# Altium PCB HTBLEBMSALL24S100A_PCB_V0.2_260323.pcbdoc (part 1 of 7) (continued)
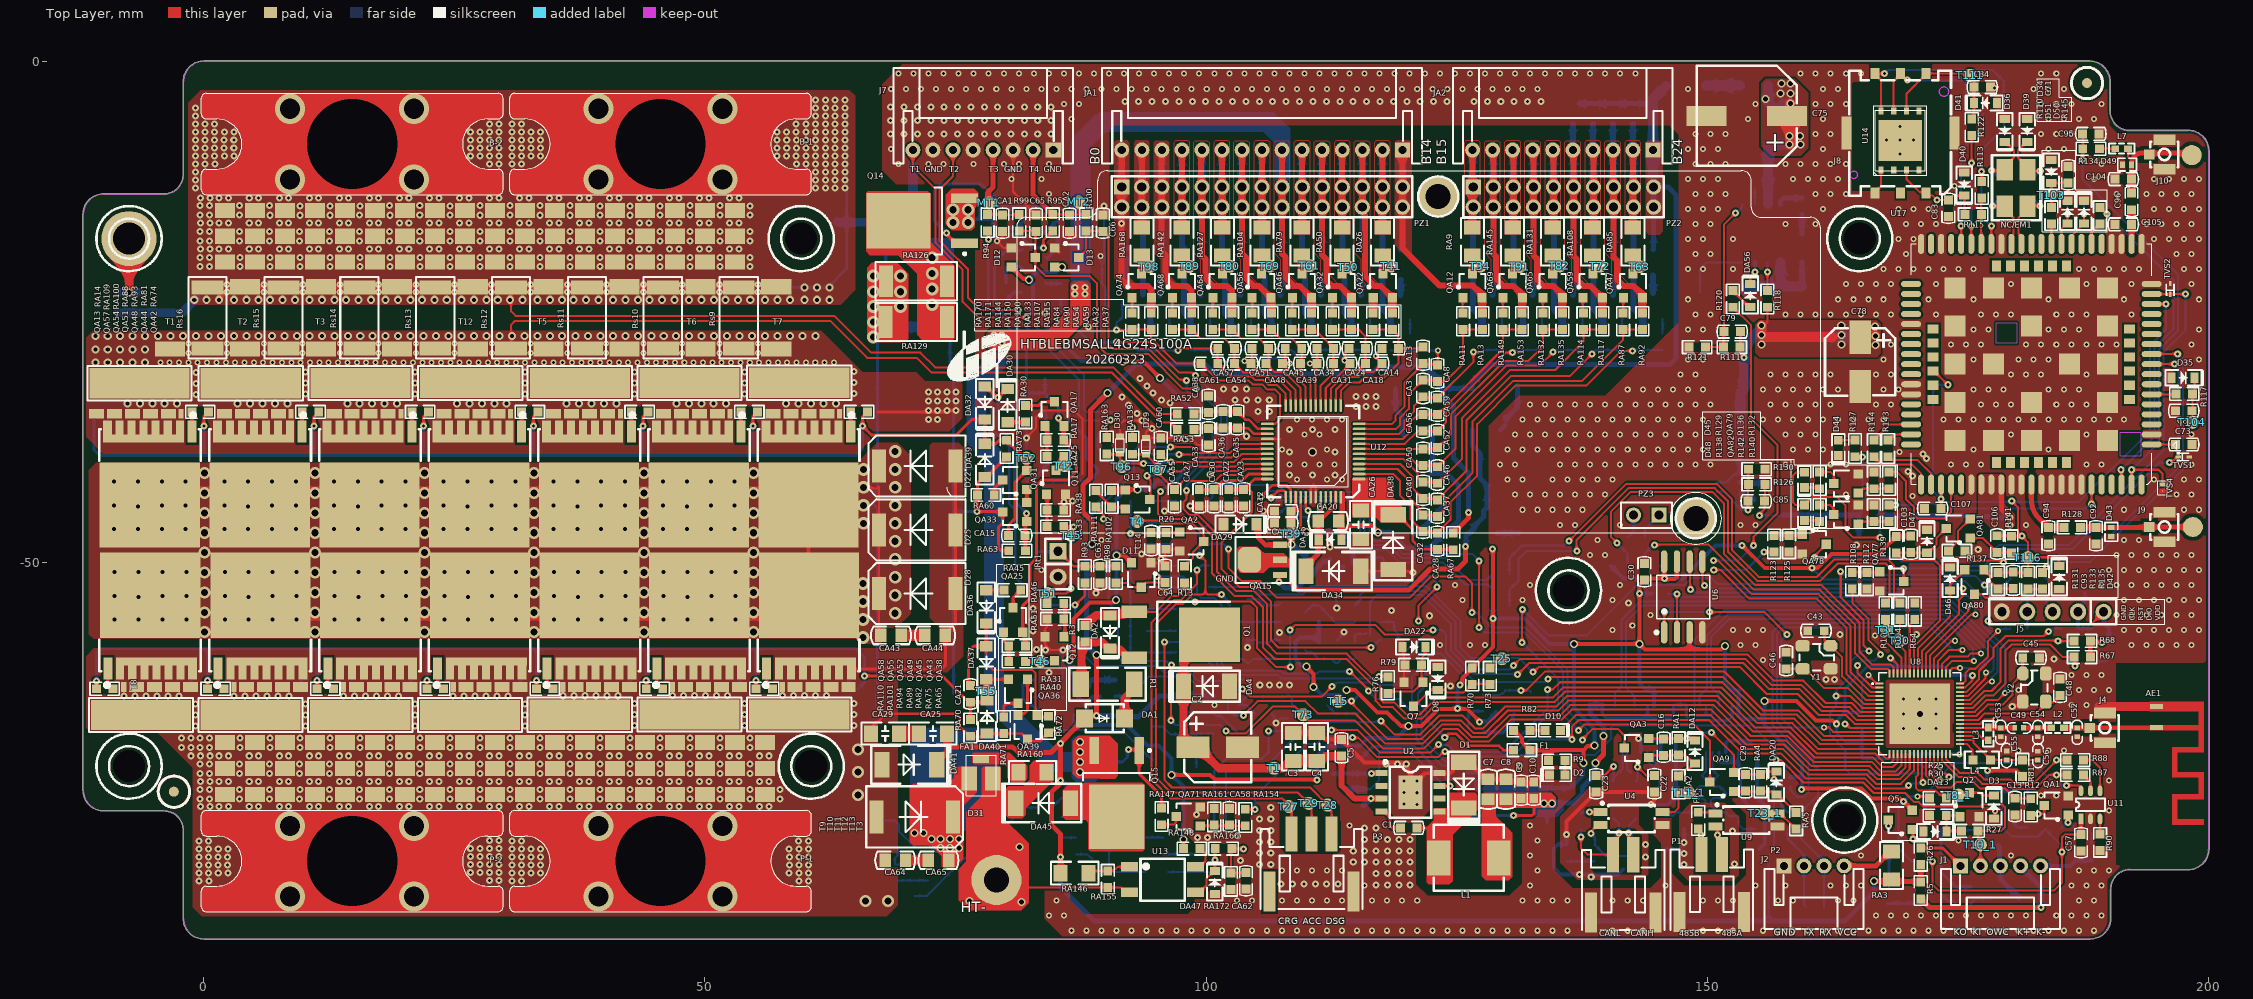
[diagram p0: Top Layer view]
## Components (designator, comment, footprint, x,y, rotation, side; value= is the part's Value field where it differs from the comment) (continued)
DA26 "SMBJ100A" SMB/DO-214AA 133.198,-41.007 r0 bottom
DA27 "BZT52C15" SOD-123 82.054,-36.602 r90 bottom
DA28 "BZT52C15" SOD-123 82.054,-38.619 r270 bottom
DA29 "SMF6.0A" SOD-123 101.716,-46.168 r0 top
DA30 "BAV21W" SOD-123 80.202,-35.983 r90 top
DA31 "SS2200" SMA/DO-214AC 123.458,-32.602 r0 bottom
DA32 "BAV21W" SOD-123 77.914,-32.427 r270 top
DA33 "SMBJ100A" SMB/DO-214AA 117.134,-41.063 r180 bottom
DA34 "SMBJ100A" SMB/DO-214AA 115.432,-50.842 r0 top
DA35 "BZT52C16S" SOD-323 113.514,-47.717 r180 top
DA36 "BAV21W" SOD-123 78.067,-52.757 r270 top
DA37 "BAV21W" SOD-123 78.067,-58.335 r270 top
DA38 "SMBJ100A" SMB/DO-214AA 118.658,-50.689 r270 top
DA39 "BZT52C15" SOD-123 77.914,-41.444 r90 top
DA40 "BZT52C15" SOD-123 78.132,-67.041 r90 top
DA41 "RS5M" SMB/DO-214AA 67.654,-70.145 r180 top
DA42 "BZT52C15" SOD-123 81.864,-15.712 r0 bottom
DA43 "BZT52C15S" SOD-323 90.715,-69.876 r180 bottom
DA44 "1N4148WS" SOD-323 90.507,-72.978 r270 bottom
DA45 "RS3M" SMB/DO-214AA 86.463,-73.981 r0 top
DA46 "BZT52C15S" SOD-323 66.951,-81.761 r0 bottom
DA47 "BZT52C3V3S" SOD-323 100.868,-83.059 r90 top
DA48 "BZT52C15S" SOD-323 66.951,-78.479 r0 bottom
DA49 "1N4148WS" SOD-323 88.68,-79.513 r90 bottom
DA50 "1N4148WS" SOD-323 96.199,-80.852 r180 bottom
DA51 "BAV21W" SOD-123 89.37,-26.929 r0 bottom
DA52 "BAT46WS" SOD-323 89.612,-20.159 r0 bottom
DA53 "BAT46WS" SOD-323 89.524,-25.249 r0 bottom
DA54 "BAT46WS" SOD-323 92.113,-18.622 r180 bottom
DA55 "SMAJ85A" SMA/DO-214AC 152.306,-5.399 r180 bottom
DA56 "BAV21WS" SOD-323 154.289,-24.498 r90 top
EM1 "ACT45C-510-2P/SRF4530A-510Y" WCM-4532 140.64,-75.479 r90 bottom
ESD1 "PESD1CAN,215" SOT23 140.637,-78.177 r0 bottom
ESD2 "SET23A05L02-ES/SENC23T5V2UC" SOT23 161.682,-84.293 r180 bottom
ET1 "ET1" PT_STM 83.267,-48.899 r90 top
F1 "JK-SMD0603-001" F0603 130.669,-68.709 r0 top
F2 "JK-nSMD010/60V" F1206 179.71,-83.455 r180 bottom
FA1 "22A52V" 22A52V 77.551,-71.23 r270 top
FB1 "BLM21PG300SN1D" 0805 164.956,-45.262 r0 bottom
IRt1 "NTC3950" "Pin HDR1X2/2.54mm-S" 85.231,-48.86 r0 top
J1 "PH2.0V_5PS" PH2.0-WI-5P 179.246,-80.24 r0 top
J2 "Header 4" PH2.0-WI-4P 160.64,-80.24 r0 top
J4 "IPEX" IPEX-SMD_BWIPX-1-001E 188.895,-66.472 r0 top
J5 "SWD" "Pin HDR1X5/2.54mm-S" 189.536,-54.895 r270 top
J7 "2.0mm-8P ZZ" PH2.0-WI-8P 77.746,-8.829 r180 top
J8 "SIM6P" SIM6P 169.279,-7.16 r180 top
J9 "IPEX" IPEX-SMD_BWIPX-1-001E 194.84,-46.439 r0 top
J10 "IPEX" IPEX-SMD_BWIPX-1-001E 194.84,-9.27 r0 top
JA1 "Header 15" PH2.0-WI-15P 105.58,-8.829 r180 top locked
JA2 "Header 10" PH2.0-WI-10P 135.579,-8.829 r180 top locked
L1 "33uH/20%" IND-SMD_L7.3-W6.8 126.186,-79.452 r0 top
L2 "1nH" 0402L 184.313,-66.479 r0 top
L3 "1.3nH" 0402L 178.029,-66.449 r270 top
L4 "4.7uH/NC" 0603L-XG 178.27,-69.669 r180 top
L5 "22uH/20%" L6*6 159.452,-24.926 r270 bottom
L6 "3.3uH/20%" L4*4 157.576,-43.672 r270 bottom
L7 "47nH" 0402L 191.97,-8.69 r180 top
MT1 "ET1" PT_STM 78.329,-14.096 r90 bottom
MT2 "ET1" PT_STM 87.293,-14.015 r90 bottom
NC/EM1 "ACT45C-510-2P" WCM-4532 179.671,-10.778 r270 top
P1 "Comment" PH2.0-WS-2P 141.61,-84.88 r0 top locked
P2 "Comment" PH2.0-WS-2P 150.44,-84.854 r0 top locked
P3 "Comment" PH2.0-WS-3P 110.52,-82.794 r0 top locked
P-1 "PCB-M5" PCB-276M5 45.555,-79.769 r0 top
P-2 "PCB-M5" PCB-276M5 14.807,-79.769 r0 top
PTC1 "JK-SMD0603-005" F0603 149.091,-76.55 r90 bottom
PTC2 "JK-SMD0603-005" F0603 151.029,-76.55 r90 bottom
PZ1 "Pin HDR2X15" PH2.0-15*2 105.58,-13.529 r0 top locked (schematic designator J1)
PZ2 "Pin HDR2X10" PH2.0-10*2 135.645,-13.529 r0 top locked (schematic designator J3)
PZ3 "Header 2" HDR1X2 145.185,-45.255 r180 top locked (schematic designator J2)
Q1 "IRFR6215TR" TO-252-3_L6.5-W5.8-P4.58-BL 96.585,-57.192 r270 top
Q2 "2N7002K" SOT23 175.192,-75.345 r0 top
Q3 "MMBT5401" SOT23 179.177,-70.836 r270 bottom
Q4 "BSS123" SOT23 109.691,-65.174 r90 bottom
Q5 "MMBT5401" SOT23 170.46,-76.604 r90 top
Q6 "2N7002K" SOT23 107.441,-59.65 r90 bottom
Q7 "2N7002K" SOT23 121.625,-61.931 r180 top
Q8 "2N7002K" SOT23 107.441,-55.904 r90 bottom
Q9 "BSS84" SOT23 116.041,-49.483 r270 bottom
Q10 "BSS123" SOT23 118.759,-55.904 r90 bottom
Q11 "BSS123" SOT23 84.07,-43.183 r0 top
Q12 "BSS123" SOT23 85.827,-57.379 r180 top
Q13 "BSS123" SOT23 91.947,-42.734 r270 top
Q14 "NCEP1520K" TO-252 71.712,-15.906 r180 top
Q15 "NCE01P13K" TO-252 91.064,-72.943 r270 top
Q16 "MMBT5401" SOT23 85.556,-73.49 r270 bottom
QA1 "MMBT5551" SOT23 186.027,-75.164 r90 top
QA2 "MMBT5551" SOT23 97.347,-46.943 r270 top
QA3 "PJM10H01PSA" SOT23 144.147,-69.455 r90 top
QA4 "MMBT5401" SOT23 100.751,-65.174 r90 bottom
QA5 "MMBT5551" SOT23 177.866,-76.68 r90 bottom
QA6 "MMBT5551" SOT23 100.751,-68.939 r90 bottom
QA7 "MMBT5551" SOT23 85.668,-63.455 r90 bottom
QA8 "MMBT5551" SOT23 170.929,-84.007 r90 bottom
QA9 "PJM10H01PSA" SOT23 152.657,-72.844 r90 top
QA10 "MMBT5551" SOT23 83.877,-34.987 r90 bottom
QA11 "MMBT5551" SOT23 83.877,-38.713 r90 bottom
QA12 "MMBT5551" SOT23 125.622,-23.577 r0 top
QA13 "LR038N15S10" TOLL-8_L10.4-W9.9-P1.20-LS11.7-BL -5.396,-40.585 r180 top
QA14 "LR038N15S10" TOLL-8_L10.4-W9.9-P1.20-LS11.7-BL -5.336,-56.909 r180 bottom
QA15 "FCX495TA" SOT89 107.38,-51.225 r90 top
QA16 "MMBT5551" SOT23 120.346,-25.706 r180 bottom
QA17 "MMBT5401" SOT23 83.936,-36.364 r0 top
QA18 "LR038N15S10" TOLL-8_L10.4-W9.9-P1.20-LS11.7-BL -5.396,-40.585 r0 bottom
QA19 "LR038N15S10" TOLL-8_L10.4-W9.9-P1.20-LS11.7-BL 5.654,-56.909 r180 bottom
QA20 "LR038N15S10" TOLL-8_L10.4-W9.9-P1.20-LS11.7-BL 5.594,-40.585 r0 bottom
QA21 "LR038N15S10" TOLL-8_L10.4-W9.9-P1.20-LS11.7-BL 16.599,-56.909 r180 bottom
QA22 "MMBT5551" SOT23 116.67,-23.577 r0 top
QA23 "LR038N15S10" TOLL-8_L10.4-W9.9-P1.20-LS11.7-BL 16.539,-40.585 r0 bottom
QA24 "LR038N15S10" TOLL-8_L10.4-W9.9-P1.20-LS11.7-BL 27.544,-56.909 r180 bottom
QA25 "MMBT5401" SOT23 79.798,-56.922 r0 top
QA26 "MMBT5551" SOT23 116.413,-25.706 r180 bottom
QA27 "LR038N15S10" TOLL-8_L10.4-W9.9-P1.20-LS11.7-BL 27.484,-40.585 r0 bottom
QA28 "LR038N15S10" TOLL-8_L10.4-W9.9-P1.20-LS11.7-BL 38.489,-56.909 r180 bottom
QA29 "LR038N15S10" TOLL-8_L10.4-W9.9-P1.20-LS11.7-BL 38.429,-40.585 r0 bottom
QA30 "LR038N15S10" TOLL-8_L10.4-W9.9-P1.20-LS11.7-BL 49.434,-56.909 r180 bottom
QA31 "MMBT5401" SOT23 82.107,-42.714 r90 top
QA32 "MMBT5551" SOT23 112.614,-23.577 r0 top
QA33 "MMBT5401" SOT23 82.107,-45.889 r90 top
QA34 "LR038N15S10" TOLL-8_L10.4-W9.9-P1.20-LS11.7-BL 49.373,-40.585 r0 bottom
QA35 "LR038N15S10" TOLL-8_L10.4-W9.9-P1.20-LS11.7-BL 60.379,-56.909 r180 bottom
QA36 "MMBT5401" SOT23 82.173,-61.621 r180 top
QA37 "LR038N15S10" TOLL-8_L10.4-W9.9-P1.20-LS11.7-BL 60.319,-40.585 r0 bottom
QA38 "LR038N15S10" TOLL-8_L10.4-W9.9-P1.20-LS11.7-BL 60.379,-56.909 r0 top
QA39 "MMBT5401" SOT23 83.118,-65.207 r180 top
QA40 "MMBT5551" SOT23 112.403,-25.706 r180 bottom
QA41 "MMBT5551" SOT23 145.569,-25.706 r180 bottom
QA42 "LR038N15S10" TOLL-8_L10.4-W9.9-P1.20-LS11.7-BL 60.319,-40.585 r180 top
QA43 "LR038N15S10" TOLL-8_L10.4-W9.9-P1.20-LS11.7-BL 49.434,-56.909 r0 top
QA44 "LR038N15S10" TOLL-8_L10.4-W9.9-P1.20-LS11.7-BL 49.374,-40.585 r180 top
QA45 "LR038N15S10" TOLL-8_L10.4-W9.9-P1.20-LS11.7-BL 38.489,-56.909 r0 top
QA46 "MMBT5551" SOT23 108.611,-23.577 r0 top
QA47 "MMBT5551" SOT23 141.619,-23.577 r0 top
QA48 "LR038N15S10" TOLL-8_L10.4-W9.9-P1.20-LS11.7-BL 38.429,-40.585 r180 top
QA49 "LR038N15S10" TOLL-8_L10.4-W9.9-P1.20-LS11.7-BL 27.544,-56.909 r0 top
QA50 "MMBT5551" SOT23 108.393,-25.706 r180 bottom
QA51 "LR038N15S10" TOLL-8_L10.4-W9.9-P1.20-LS11.7-BL 27.484,-40.585 r180 top
QA52 "LR038N15S10" TOLL-8_L10.4-W9.9-P1.20-LS11.7-BL 16.599,-56.909 r0 top
QA53 "MMBT5551" SOT23 141.556,-25.706 r180 bottom
QA54 "LR038N15S10" TOLL-8_L10.4-W9.9-P1.20-LS11.7-BL 16.539,-40.585 r180 top
QA55 "LR038N15S10" TOLL-8_L10.4-W9.9-P1.20-LS11.7-BL 5.654,-56.909 r0 top
QA56 "MMBT5551" SOT23 104.587,-23.577 r0 top
QA57 "LR038N15S10" TOLL-8_L10.4-W9.9-P1.20-LS11.7-BL 5.594,-40.585 r180 top
QA58 "LR038N15S10" TOLL-8_L10.4-W9.9-P1.20-LS11.7-BL -5.336,-56.909 r0 top
QA59 "MMBT5551" SOT23 137.619,-23.577 r0 top
QA60 "MMBT5401" SOT23 81.381,-20.844 r90 bottom
QA61 "MMBT5551" SOT23 83.961,-22.063 r270 bottom
QA62 "MMBT5551" SOT23 104.384,-25.706 r180 bottom
QA63 "MMBT5551" SOT23 137.544,-25.706 r180 bottom
QA64 "MMBT5551" SOT23 100.661,-23.577 r0 top
QA65 "MMBT5551" SOT23 133.626,-23.577 r0 top
QA66 "MMBT5551" SOT23 100.374,-25.706 r180 bottom
QA67 "MMBT5551" SOT23 133.531,-25.706 r180 bottom
QA68 "MMBT5551" SOT23 96.64,-23.577 r0 top
QA69 "MMBT5551" SOT23 129.633,-23.577 r0 top
QA70 "MMBT5551" SOT23 72.252,-81.697 r90 bottom
QA71 "MMBT5551" SOT23 99.412,-76.256 r90 top
QA72 "MMBT5551" SOT23 96.365,-25.706 r180 bottom
QA73 "MMBT5551" SOT23 129.518,-25.706 r180 bottom
QA74 "MMBT5551" SOT23 92.621,-23.577 r0 top
QA75 "KCX017N10N" TOLL-8_L10.4-W9.9-P1.20-LS11.7-BL 71.17,-71.502 r90 bottom
QA76 "MMBT5551" SOT23 92.722,-77.397 r270 bottom
QA77 "MMBT5551" SOT23 167.205,-50.904 r270 top
QA78 "MMBT5551" SOT23 159.473,-47.209 r270 top
QA79 "MMBT5551" SOT23 165.038,-43.042 r90 top
QA80 "MMBT5551" SOT23 177.586,-50.721 r180 top
QA81 "MMBT5551" SOT23 176.23,-47.559 r90 top
QA82 "MMBT5551" SOT23 165.038,-46.144 r90 top
R1 "51R/2010" 2010R 90.174,-62.126 r0 top
R2 "1M" 0603 92.445,-43.831 r0 bottom
R3 "1M" 0603 87.898,-56.277 r270 top
R4 "464K" 0603 115.686,-72.586 r270 bottom
R5 "10K/1%" 0603 171.294,-81.882 r270 top
R6 "100k/1%" 0603 183.729,-76.592 r90 bottom
R7 "1M" 0603 92.445,-58.97 r0 bottom
R8 "95k/1%" 0603 114.12,-69.428 r270 bottom
R9 "10k" 0603 135.801,-69.749 r180 top
R10 "1M" 0603 92.445,-56.807 r0 bottom
R11 "2M/1%" 0603 183.271,-83.434 r0 bottom
R12 "1k/1%" 0603 182.263,-75.204 r90 top
R13 "2M" 0603 97.855,-50.359 r270 top
R14 "1M" 0603 92.445,-45.994 r0 bottom
R15 "42.2K" 0603 114.12,-74.275 r90 bottom
R16 "30k/1%" 0603 112.644,-71.074 r90 bottom
R17 "2M/1%" 0603 188.312,-79.736 r90 bottom
R18 "1M" 0603 92.445,-50.319 r0 bottom
R19 "100k/1%" 0603 186.762,-76.524 r90 bottom
R20 "1M" 0603 95.975,-47.006 r270 top
R21 "2M/1%" 0603 186.746,-78.085 r270 bottom
R22 "1M" 0603 92.445,-48.156 r0 bottom
R23 "20K" 0603 92.445,-52.482 r0 bottom
R24 "1M" 0603 92.445,-54.644 r0 bottom
R25 "10k" 0603 173.836,-73.489 r180 top
R26 "1M" 0603 171.294,-78.468 r270 top
R27 "10k" 0603 176.992,-76.759 r180 top
R28 "62Ω" 0603 137.39,-78.15 r270 bottom
R29 "1k" 0603 137.39,-75.069 r270 bottom
R30 "510K" 0603 173.836,-75.241 r180 top
R31 "62Ω" 0603 138.76,-79.801 r90 bottom
R32 "1M" 0603 97.563,-64.928 r90 bottom
R33 "10k" 0603 180.45,-70.944 r270 bottom
R34 "510K" 0603 89.415,-61.687 r270 bottom
R35 "100K" 0603 113.501,-64.928 r90 bottom
R36 "1K" 0603 90.895,-63.338 r90 bottom
R37 "10k" 0603 181.943,-70.944 r270 bottom
R38 "10k" 0603 174.998,-74.941 r270 bottom
R39 "10R" 0603 176.31,-82.331 r270 bottom
R40 "10M" 0603 104.764,-68.672 r90 bottom
R41 "1K" 0603 115.152,-63.277 r270 bottom
R42 "1M" 0603 82.874,-63.338 r90 bottom
R43 "5.1M" 0603 105.221,-63.277 r270 bottom
R44 "10k" 0603 176.47,-74.941 r270 bottom
R45 "10R" 0603 174.765,-83.982 r90 bottom
R46 "100Ω" 0603 159.34,-76.556 r90 bottom
R47 "5.1M" 0603 99.023,-68.82 r90 bottom
R48 "5.1k" 0603 175.047,-72.595 r90 bottom
R49 "10k" 0603 170.015,-76.579 r90 bottom
R50 "100Ω" 0603 157.996,-76.556 r90 bottom
R51 "1M" 0603 84.309,-61.687 r270 bottom
R52 "1M" 0603 106.692,-64.928 r90 bottom
R53 "1M" 0603 99.023,-72.101 r90 bottom
R54 "10k" 0603 171.584,-74.941 r270 bottom
R55 "10k" 0603 169.571,-82.331 r270 bottom
R56 "10k" 0603 168.127,-82.331 r270 bottom
R57 "10K" 0603 145.42,-50.32 r180 bottom
R58 "10K" 0603 140.399,-50.32 r0 bottom
R59 "33R" 0603 143.78,-49.05 r90 bottom
R60 "100k" 0603 154.81,-74.905 r270 bottom
R61 "33R" 0603 142.04,-49.1 r90 bottom
R62 "3.3k" 0603 144.46,-53.079 r0 bottom
R63 "120Ω" 0603 149.449,-71.255 r0 bottom
R64 "4.7K" 0603 170.696,-55.682 r90 top
R65 "1k" 0603 149.091,-74.899 r270 top
R66 "100k" 0603 147.647,-74.905 r270 bottom
R67 "4.7k" 0603 188.216,-59.429 r180 top
R68 "4.7k" 0603 188.216,-57.805 r180 top
R69 "10k" 0603 111.251,-59.587 r90 bottom
R70 "10k" 0603 126.545,-62.147 r90 top
R71 "10k" 0603 111.251,-54.253 r270 bottom
R72 "1k" 0603 114.834,-57.936 r270 bottom
R73 "1k" 0603 128.305,-60.496 r270 top
R74 "1k" 0603 114.834,-54.253 r270 bottom
R75 "100k" 0603 102.427,-57.936 r270 bottom
R76 "100k" 0603 118.134,-61.405 r270 top
R77 "100k" 0603 102.361,-54.253 r270 bottom
R78 "100k" 0603 105.79,-57.936 r270 bottom
R79 "100k" 0603 119.846,-60.191 r0 top
R80 "100k" 0603 105.79,-54.253 r270 bottom
R81 "0R/0805" 0603 181.435,-69.674 r270 top
R82 "10k" 0603 132.314,-66.727 r180 top
R83 "10k" 0603 190.096,-56.549 r180 bottom
R84 "10k" 0603 180.253,-51.596 r270 bottom
R85 "1M" 0603 187.53,-71.169 r180 bottom
R86 "10K" 0603 165.41,-69.529 r180 bottom
R87 "1k" 0603 187.53,-71.169 r180 top
R88 "1k" 0603 187.53,-69.686 r180 top
R89 "100Ω" 0603 180.247,-56.549 r0 bottom
R90 "30k" 0603 189.191,-77.082 r270 top
R91 "1M" 0603 185.879,-69.686 r0 bottom
R92 "100k/1%" 0603 126.153,-63.168 r270 bottom
R93 "10k/1%" 0603 87.898,-52.01 r90 top
R94 "10k/1%" 0603 78.198,-16.897 r90 top
R95 "10k/1%" 0603 84.694,-16.897 r90 top
R96 "100Ω" 0603 185.326,-56.549 r0 bottom
R97 "100Ω" 0603 183.819,-51.596 r270 bottom
R98 "100Ω" 0603 90.997,-50.359 r270 top
R99 "100Ω" 0603 81.356,-15.246 r270 top
R100 "100Ω" 0603 88.032,-15.246 r270 top
R101 "100Ω" 0603 127.614,-64.819 r90 bottom
R102 "10K" 0603 128.6,-49.559 r0 bottom
R103 "10K" 0603 128.6,-54.259 r0 bottom
R104 "100R" 0603 169.214,-55.682 r90 top
R105 "100k/1%" 0603 126.133,-66.935 r0 bottom
R106 "100R" 0603 167.781,-55.682 r90 top
R107 "0R" 0603 159.454,-15.281 r90 bottom
R108 "4.7k" 0603 164.461,-52.643 r90 top
R109 "100R/1206" 1206 156.063,-2.396 r180 bottom
R110 "0R" 0603 184.326,-16.197 r90 top
R111 "383k/1%" 0603 153.266,-28.501 r180 top
R112 "47k" 0603 165.923,-52.643 r90 top
R113 "10K" 0603 177.374,-11.958 r270 top
R114 "330k" 0603 153.098,-12.647 r0 bottom
R115 "22R" 0603 175.687,-15.244 r0 top
R116 "22R" 0603 175.829,-5.167 r0 bottom
R117 "0R" 0603 196.764,-33.157 r0 top
R118 "100k" 0603 155.983,-24.517 r90 top
R119 "0R" 0603 179.318,-13.471 r90 bottom
R120 "10k" 0603 152.548,-24.517 r90 top
R121 "120k/1%" 0603 149.81,-28.501 r180 top
R122 "22R" 0603 176.381,-5.735 r270 top
R123 "4.7k" 0603 156.659,-48.948 r90 top
R124 "0R" 0603 182.291,-13.471 r90 bottom
R125 "47k" 0603 158.168,-48.948 r90 top
R126 "160K/1%" 0603 154.09,-42.189 r0 top
R127 "10k" 0603 164.735,-39.43 r90 top
R128 "0R" 0603 185.575,-46.476 r0 top
R129 "2.2K" 0603 161.205,-42.624 r90 top
R130 "30K/1%" 0603 155.741,-40.682 r180 top
R131 "4.7k" 0603 179.016,-52.643 r90 top
R132 "4.7k" 0603 168.14,-40.973 r270 top
R133 "1k" 0603 181.986,-50.992 r270 top
R134 "10R" 0603 187.455,-8.704 r0 top
R135 "100R" 0603 183.456,-52.643 r90 top
R136 "47k" 0603 166.615,-40.973 r270 top
R137 "100R" 0603 174.075,-48.829 r0 top
R138 "2.2K" 0603 161.205,-45.904 r90 top
R139 "1k" 0603 168.845,-49.023 r90 top
R140 "4.7k" 0603 168.14,-44.253 r270 top
R141 "4.7k" 0603 180.343,-49.019 r90 top
R142 "47k" 0603 166.615,-44.253 r270 top
R143 "1k" 0603 168.04,-37.78 r270 top
R144 "1k" 0603 166.615,-37.779 r270 top
R145 "10k" 0603 189.162,-14.546 r270 top
RA1 "100K" 0603 147.139,-69.172 r90 top
RA2 "470K" 0603 147.139,-72.934 r90 top
RA3 "0R/1206" 1206 168.373,-81.611 r90 top
RA4 "100K" 0603 155.305,-72.794 r90 top
RA5 "470K" 0603 158.856,-76.588 r90 top
RA6 "200R" 0805 89.243,-41.119 r90 bottom
RA7 "1K" 0603 127.631,-27.121 r270 bottom
RA8 "100/0.5W" 1210R 128.024,-36.745 r180 bottom
RA9 "100R" 1206 126.565,-16.579 r270 top
RA10 "100K" 0603 86.374,-40.174 r270 bottom
RA11 "510R" 0603 125.638,-25.088 r270 top
RA12 "3M" 0603 84.19,-40.174 r270 bottom
RA13 "1K" 0603 127.55,-25.088 r270 top
RA14 "47Ω" 0603 -1.177,-34.951 r0 top
RA15 "47Ω" 0603 0.361,-62.576 r180 bottom
RA16 "100R" 1206 119.409,-18.779 r270 bottom
RA17 "470K" 0603 84.139,-37.761 r0 top
RA18 "1K" 0603 112.333,-51.197 r90 bottom
RA19 "510R" 0603 120.343,-27.121 r270 bottom
RA20 "47Ω" 0603 -9.308,-34.951 r180 bottom
RA21 "47Ω" 0603 11.306,-62.576 r180 bottom
RA22 "1K" 0603 118.411,-27.121 r270 bottom
RA23 "1M" 0603 117.503,-51.427 r90 bottom
RA24 "1M" 0603 110.225,-51.197 r90 bottom
RA25 "1M" 0603 85.79,-39.412 r180 top
RA26 "100R" 1206 117.6,-16.579 r270 top
RA27 "47Ω" 0603 2.125,-34.951 r180 bottom
RA28 "47Ω" 0603 22.251,-62.576 r180 bottom
RA29 "1K" 0603 119.113,-57.936 r270 bottom
RA30 "1K" 0603 81.98,-35.983 r90 top
RA31 "470K" 0603 80.306,-58.319 r0 top
RA32 "510R" 0603 116.66,-25.088 r270 top
RA33 "1K" 0603 85.79,-46.397 r180 top
RA34 "1M" 0603 117.439,-54.253 r270 bottom
RA35 "47Ω" 0603 13.121,-34.951 r180 bottom
RA36 "47Ω" 0603 33.196,-62.576 r180 bottom
RA37 "1K" 0603 118.573,-25.088 r270 top
RA38 "10M" 0603 84.139,-44.746 r0 top
RA39 "100R" 1206 115.444,-18.779 r270 bottom
RA40 "1M" 0603 81.957,-59.843 r180 top
RA41 "47Ω" 0603 24.066,-34.951 r180 bottom
RA42 "47Ω" 0603 44.141,-62.576 r180 bottom
RA43 "1K/0.5W" 1210R 120.994,-36.86 r0 bottom
RA44 "510R" 0603 116.367,-27.121 r270 bottom
RA45 "1K" 0603 79.849,-52.746 r0 top
RA46 "1K" 0603 85.79,-54.077 r180 top
RA47 "1K" 0603 114.485,-27.121 r270 bottom
RA48 "47Ω" 0603 35.011,-34.951 r180 bottom
RA49 "47Ω" 0603 55.086,-62.576 r180 bottom
RA50 "100R" 1206 113.564,-16.579 r270 top
RA51 "10M" 0603 85.79,-55.601 r180 top
RA52 "100Ω/1%" 0603 97.118,-35.17 r0 top
RA53 "100Ω/1%" 0603 97.118,-36.694 r0 top
RA54 "510R" 0603 112.609,-25.088 r270 top
RA55 "47Ω" 0603 45.956,-34.951 r180 bottom
RA56 "47Ω" 0603 65.274,-62.576 r180 bottom
RA57 "1M" 0603 107.177,-45.228 r270 bottom
RA58 "1M" 0603 108.508,-45.253 r270 bottom
RA59 "1K" 0603 114.509,-25.088 r270 top
RA60 "330R" 0603 77.205,-43.247 r0 top
RA61 "100" 0603 128.6,-51.126 r0 bottom
RA62 "100" 0603 128.6,-52.693 r0 bottom
RA63 "4.7M" 0603 80.306,-48.81 r0 top
RA64 "47Ω" 0603 56.901,-34.951 r180 bottom
RA65 "47Ω" 0603 55.086,-62.576 r0 top
RA66 "100R" 1206 111.442,-18.779 r270 bottom
RA67 "1K" 0603 124.652,-47.057 r270 top
RA68 "510R" 0603 112.43,-27.121 r270 bottom
RA69 "100R" 1206 144.599,-18.779 r270 bottom
RA70 "4.7M" 0603 76.471,-65.665 r270 top
RA71 "330R" 0603 79.811,-65.398 r270 top
RA72 "4.7M" 0603 84.292,-65.317 r270 top
RA73 "4.7M" 0603 80.1,-37.786 r270 top
RA74 "47Ω" 0603 64.543,-34.951 r0 top
RA75 "47Ω" 0603 44.141,-62.576 r0 top
RA76 "0Ω/NC" 0805 142.56,-4.059 r270 bottom
RA77 "510R" 0603 145.536,-27.121 r270 bottom
RA78 "1K" 0603 110.505,-27.121 r270 bottom
RA79 "100R" 1206 109.545,-16.579 r270 top
RA80 "1K" 0603 143.552,-27.121 r270 bottom
RA81 "47Ω" 0603 53.599,-34.951 r0 top
RA82 "47Ω" 0603 33.196,-62.576 r0 top
RA83 "0R" 1206 67.982,-16.053 r0 bottom
RA84 "510R" 0603 108.59,-25.088 r270 top
RA85 "100R" 1206 142.574,-16.579 r270 top
RA86 "0Ω/NC" 0805 140.573,-4.059 r270 bottom
RA87 "510R" 0603 141.607,-25.088 r270 top
RA88 "47Ω" 0603 42.654,-34.951 r0 top
RA89 "47Ω" 0603 22.251,-62.576 r0 top
RA90 "1K" 0603 110.521,-25.088 r270 top
RA91 "100R" 1206 107.436,-18.779 r270 bottom
RA92 "1K" 0603 143.517,-25.088 r270 top
RA93 "47Ω" 0603 31.709,-34.951 r0 top
RA94 "47Ω" 0603 11.306,-62.576 r0 top
RA95 "510R" 0603 108.422,-27.121 r270 bottom
RA96 "100R" 1206 140.593,-18.779 r270 bottom
RA97 "0Ω/NC" 0805 138.586,-4.059 r270 bottom
RA98 "510R" 0603 141.477,-27.121 r270 bottom
RA99 "1K" 0603 106.552,-27.121 r270 bottom
RA100 "47Ω" 0603 20.764,-34.951 r0 top
RA101 "47Ω" 0603 0.361,-62.576 r0 top
RA102 "10K" 0603 90.57,-44.448 r90 top
RA103 "1M" 0603 85.536,-23.816 r90 bottom
RA104 "100R" 1206 105.573,-16.579 r270 top
RA105 "1K" 0603 139.585,-27.121 r270 bottom
RA106 "1M" 0603 80.024,-20.504 r90 bottom
RA107 "510R" 0603 104.592,-25.088 r270 top
RA108 "100R" 1206 138.543,-16.579 r270 top
RA109 "47Ω" 0603 9.819,-34.951 r0 top
RA110 "47Ω" 0603 -10.715,-62.576 r0 top
RA111 "100R" 0603 89.013,-44.448 r90 top
RA112 "1M" 0603 80.024,-23.816 r90 bottom
RA113 "0Ω/NC" 0805 136.599,-4.059 r270 bottom
RA114 "510R" 0603 137.631,-25.088 r270 top
RA115 "1K" 0603 106.505,-25.088 r270 top
RA116 "100R" 1206 103.431,-18.779 r270 bottom
RA117 "1K" 0603 139.536,-25.088 r270 top
RA118 "1K" 0603 83.629,-17.363 r0 bottom
RA119 "510R" 0603 104.454,-27.121 r270 bottom
RA120 "100R" 1206 136.587,-18.779 r270 bottom
RA121 "300R/2W" 2512 68.02,-23.463 r0 bottom
RA122 "300R/2W" 2512 68.033,-19.355 r0 bottom
RA123 "510R" 0603 137.487,-27.121 r270 bottom
RA124 "1K" 0603 102.473,-27.121 r270 bottom
RA125 "4.7M" 0603 78.706,-15.627 r0 bottom
RA126 "300R/2W" 2512 68.038,-21.918 r0 top
RA127 "100R" 1206 101.616,-16.579 r270 top
RA128 "1K" 0603 135.589,-27.121 r270 bottom
RA129 "300R/2W" 2512 68.035,-26.003 r0 top
RA130 "510R" 0603 100.655,-25.088 r270 top
RA131 "100R" 1206 134.571,-16.579 r270 top
RA132 "510R" 0603 133.611,-25.088 r270 top
RA133 "1K" 0603 102.586,-25.088 r270 top
RA134 "100R" 1206 99.425,-18.779 r270 bottom
RA135 "1K" 0603 135.536,-25.088 r270 top
RA136 "510R" 0603 100.291,-27.121 r270 bottom
RA137 "100R" 1206 132.58,-18.779 r270 bottom
RA138 "510R" 0603 133.524,-27.121 r270 bottom
RA139 "100R" 0603 92.648,-39.183 r90 top
RA140 "1K" 0603 98.407,-27.121 r270 bottom
RA141 "10K" 0603 88.635,-71.456 r0 bottom
RA142 "100R" 1206 97.585,-16.579 r270 top
RA143 "1K" 0603 131.609,-27.121 r270 bottom
RA144 "510R" 0603 96.652,-25.088 r270 top
RA145 "100R" 1206 130.568,-16.579 r270 top
RA146 "10K/1206" 1206 85.486,-80.979 r0 top
RA147 "10K" 0603 95.564,-74.494 r270 top
RA148 "10K" 0603 97.749,-78.528 r0 top
RA149 "510R" 0603 129.613,-25.088 r270 top
RA150 "1K" 0603 98.562,-25.088 r270 top
RA151 "1K" 0603 88.64,-75.256 r90 bottom
RA152 "100R" 1206 95.42,-18.779 r270 bottom
RA153 "1K" 0603 131.515,-25.088 r270 top
RA154 "10K" 0603 103.905,-76.246 r90 top
RA155 "10K" 0603 90.187,-80.753 r270 top
RA156 "1M" 0603 87.019,-75.263 r90 bottom
RA157 "100K" 0603 70.913,-83.236 r90 bottom
RA158 "510R" 0603 96.354,-27.121 r270 bottom
RA159 "100R" 1206 128.574,-18.779 r270 bottom
RA160 "0R" 1206 84.081,-70.918 r180 top
RA161 "10K" 0603 100.806,-76.188 r90 top
RA162 "510R" 0603 129.496,-27.121 r270 bottom
RA163 "100R" 0603 90.08,-39.167 r90 top
RA164 "1K" 0603 94.454,-27.121 r270 bottom
RA165 "100Ω/1%" 0603 70.913,-80 r90 bottom
RA166 "1K" 0603 100.908,-78.528 r0 top
RA167 "1M" 0603 87.009,-79.091 r90 bottom
RA168 "100R" 1206 93.587,-16.579 r270 top
RA169 "10K" 0603 67.314,-80.105 r0 bottom
RA170 "510R" 0603 92.619,-25.088 r270 top
RA171 "1K" 0603 94.521,-25.088 r270 top
RA172 "1M" 0603 102.465,-80.961 r270 top
RA173 "10K" 0603 95.709,-79.101 r90 bottom
RA174 "10R" 1206 92.29,-22.069 r180 bottom
RA175 "100K" 0603 94.149,-79.144 r90 bottom
Rs1 "2mR_2W" 2512 0.38,-22.531 r270 bottom
Rs2 "2mOhm_1%_2W" 2512 7.95,-22.531 r270 bottom
Rs3 "2mOhm_1%_2W" 2512 15.519,-22.531 r270 bottom
Rs4 "2mOhm_1%_2W" 2512 23.089,-22.531 r270 bottom
Rs5 "2mOhm_1%_2W" 2512 30.658,-22.531 r270 bottom
Rs6 "2mR_2W" 2512 38.228,-22.531 r270 bottom
Rs7 "2mR_2W" 2512 45.797,-22.441 r270 bottom
Rs8 "2mR_2W" 2512 53.367,-22.441 r270 bottom
Rs9 "2mR_2W" 2512 53.367,-22.531 r270 top
Rs10 "2mOhm_1%_2W" 2512 45.797,-22.531 r270 top
Rs11 "2mOhm_1%_2W" 2512 38.228,-22.531 r270 top
Rs12 "2mOhm_1%_2W" 2512 30.658,-22.531 r270 top
Rs13 "2mOhm_1%_2W" 2512 23.089,-22.531 r270 top
Rs14 "2mR_2W" 2512 15.519,-22.531 r270 top
Rs15 "2mR_2W" 2512 7.95,-22.531 r270 top
Rs16 "2mR_2W" 2512 0.38,-22.531 r270 top
T1 "铜条" 铜条3*10 -6.419,-32.1 r0 top
T1 "M5" PT_STM 106.778,-70.509 r90 bottom
T2 "M5" PT_STM 134.01,-76.026 r0 top
T2 "铜条" 铜条3*10 4.681,-32.1 r0 top
T3 "铜条" 铜条3*10 15.627,-32.09 r0 top
T3 "铜条" 铜条3*10 59.402,-65.148 r0 top
T4 "M5" PT_STM 93.128,-45.893 r90 bottom
T5 "铜条" 铜条3*10 37.52,-32.07 r0 top
T5 "E3" PT_STM 121.684,-62.227 r90 top
T6 "铜条" 铜条3*10 48.466,-32.06 r0 top
T6_1 "CH" PT_STM 139.32,-75.49 r0 top (schematic designator T6)
T7 "铜条" 铜条3*10 59.412,-32.049 r0 top
T7_1 "M5" PT_STM 127.23,-55.239 r90 top (schematic designator T7)
T8 "铜条" 铜条3*10 -6.275,-65.209 r0 top
T8_1 "M5" PT_STM 175.05,-73.19 r90 bottom (schematic designator T8)
T9 "铜条" 铜条3*10 4.671,-65.199 r0 top
T9_1 "CL" PT_STM 139.08,-77.23 r0 top (schematic designator T9)
T10 "铜条" 铜条3*10 15.617,-65.189 r0 top
T10_1 "M5" PT_STM 177.246,-78.148 r90 bottom (schematic designator T10)
T11 "铜条" 铜条3*10 26.563,-65.179 r0 top
T11_1 "M5" PT_STM 148.16,-72.95 r90 bottom (schematic designator T11)
T12 "铜条" 铜条3*10 37.509,-65.168 r0 top
T12 "铜条" 铜条3*10 26.573,-32.08 r0 top
T13 "铜条" 铜条3*10 48.456,-65.158 r0 top
T13 "M5" PT_STM 99.914,-60.22 r90 top
T14 "M3" PT_STM 135.55,-58.34 r90 top
T14 "M5" PT_STM 179.069,-78.329 r90 top
T15 "铜条" 铜条3*10 -6.419,-32.1 r180 bottom
T15 "M5" PT_STM 113.187,-63.826 r90 bottom
T16 "铜条" 铜条3*10 4.681,-32.1 r180 bottom
T16 "M5" PT_STM 94.276,-61.38 r90 top
T17 "铜条" 铜条3*10 15.627,-32.09 r180 bottom
T17_1 "M5" PT_STM 176.06,-70.96 r90 top (schematic designator T17)
T18 "铜条" 铜条3*10 26.573,-32.08 r180 bottom
T18_1 "Test" PT_STM 157.97,-77.77 r0 top (schematic designator T18)
T19 "铜条" 铜条3*10 37.52,-32.07 r180 bottom
T19_1 "M5" PT_STM 172.22,-73.08 r90 top (schematic designator T19)
T20 "铜条" 铜条3*10 48.466,-32.06 r180 bottom
T20_1 "M5" PT_STM 129.41,-57.51 r90 top (schematic designator T20)
T21 "铜条" 铜条3*10 59.412,-32.049 r180 bottom
T21_1 "M5" PT_STM 149.22,-78.18 r90 top (schematic designator T21)
T22 "铜条" 铜条3*10 -6.275,-65.209 r180 bottom
T22_1 "M5" PT_STM 150.99,-78.085 r90 top (schematic designator T22)
T23 "铜条" 铜条3*10 4.671,-65.199 r180 bottom
T23_1 "M5" PT_STM 155.71,-75 r90 bottom (schematic designator T23)
T24 "铜条" 铜条3*10 15.617,-65.189 r180 bottom
T24 "M5" PT_STM 115.99,-57.04 r90 top
T25 "铜条" 铜条3*10 26.563,-65.179 r180 bottom
T25 "M5" PT_STM 129.514,-59.586 r90 bottom
T26 "铜条" 铜条3*10 37.509,-65.168 r180 bottom
T26 "M5" PT_STM 115.233,-53.512 r90 top
T27 "铜条" 铜条3*10 48.456,-65.158 r180 bottom
T27 "M5" PT_STM 108.25,-74.329 r90 bottom
T28 "铜条" 铜条3*10 59.402,-65.148 r180 bottom
T28 "M5" PT_STM 112.117,-74.18 r90 bottom
T29 "M5" PT_STM 110.23,-74.014 r90 bottom
T30 "M5" PT_STM 169.19,-57.8 r270 bottom
T31 "M5" PT_STM 167.86,-56.74 r270 bottom
T32 "M5" PT_STM 83.912,-31.64 r90 top
T33 "Test" PT_STM 126.58,-10.579 r180 top
T34 "Test" PT_STM 127.34,-20.409 r0 bottom
T35 "Test" PT_STM 119.54,-10.639 r180 top
T36 "Test" PT_STM 120.2,-22.609 r180 top
T37 "M5" PT_STM 113.867,-47.968 r90 top
T38 "M5" PT_STM 122.342,-51.33 r90 top
T39 "M5" PT_STM 108.498,-47.12 r90 bottom
T40 "Test" PT_STM 117.58,-10.679 r180 top
T41 "Test" PT_STM 118.474,-20.404 r0 bottom
T42 "M5" PT_STM 85.85,-40.309 r90 bottom
T43 "Test" PT_STM 115.58,-10.679 r180 top
T44 "Test" PT_STM 116.18,-22.609 r180 top
T45 "M5" PT_STM 86.523,-47.271 r90 bottom
T46 "M5" PT_STM 83.467,-59.843 r90 bottom
T47 "M5" PT_STM 144.578,-9.449 r90 top
T48 "M5" PT_STM 124.596,-41.677 r90 top
T49 "B10" PT_STM 113.562,-10.679 r180 top
T50 "Test" PT_STM 114.19,-20.519 r0 bottom
T51 "M5" PT_STM 84.219,-53.093 r90 bottom
T52 "M5" PT_STM 82.083,-39.57 r90 bottom
T53 "Test" PT_STM 111.58,-10.679 r180 top
T54 "Test" PT_STM 112.19,-22.649 r180 top
T55 "M5" PT_STM 78.067,-62.843 r90 bottom
T56 "Test" PT_STM 166.42,-82.9 r180 top
T57 "Test" PT_STM 145.39,-22.639 r180 top
T58 "M5" PT_STM 67.319,-14.466 r90 top
T59 "M5" PT_STM 76.668,-40.586 r90 top
T60 "Test" PT_STM 109.58,-10.679 r180 top
T61 "Test" PT_STM 110.32,-20.369 r0 bottom
T62 "Test" PT_STM 142.577,-10.679 r180 top
T63 "Test" PT_STM 143.25,-20.469 r0 bottom
T64 "Test" PT_STM 107.58,-10.679 r180 top
T65 "Test" PT_STM 140.579,-10.647 r180 top
T66 "Test" PT_STM 108.23,-22.529 r180 top
T67 "Test" PT_STM 141.37,-22.699 r180 top
T68 "Test" PT_STM 105.58,-10.67 r180 top
T69 "Test" PT_STM 106.36,-20.409 r0 bottom
T70 "M5" PT_STM 86.04,-25.599 r90 top
T71 "Test" PT_STM 138.645,-10.679 r180 top
T72 "Test" PT_STM 139.3,-20.419 r0 bottom
T73 "M5" PT_STM 109.691,-65.174 r90 bottom
T74 "B5" PT_STM 103.58,-10.679 r180 top
T75 "Test" PT_STM 104.31,-22.519 r180 top
T76 "M5" PT_STM 84.965,-18.405 r90 top
T77 "Test" PT_STM 136.645,-10.679 r180 top
T78 "Test" PT_STM 137.38,-22.639 r180 top
T79 "Test" PT_STM 101.55,-10.739 r90 top
T80 "Test" PT_STM 102.35,-20.429 r0 bottom
T81 "Test" PT_STM 134.645,-10.679 r180 top
T82 "Test" PT_STM 135.29,-20.389 r0 bottom
T83 "Test" PT_STM 99.503,-10.679 r180 top
T84 "Test" PT_STM 100.21,-22.579 r180 top
T85 "Test" PT_STM 132.645,-10.679 r180 top
T86 "Test" PT_STM 133.36,-22.649 r180 top
T87 "M5" PT_STM 95.212,-40.672 r90 bottom
T88 "Test" PT_STM 97.6,-10.789 r90 top
T89 "Test" PT_STM 98.34,-20.449 r0 bottom
T90 "Test" PT_STM 130.63,-10.659 r180 top
T91 "Test" PT_STM 131.28,-20.469 r0 bottom
T92 "Test" PT_STM 95.569,-10.679 r90 top
T93 "Test" PT_STM 96.17,-22.639 r180 top
T94 "Test" PT_STM 128.645,-10.712 r180 top
T95 "Test" PT_STM 129.27,-22.719 r180 top
T96 "M5" PT_STM 91.604,-40.417 r90 bottom
T97 "B0" PT_STM 93.57,-10.679 r90 top
T98 "Test" PT_STM 94.34,-20.469 r0 bottom
T99 "B0" PT_STM 91.53,-10.659 r90 top
T100 "M5" PT_STM 97.645,-79.051 r90 top
T101 "Test" PT_STM 195.15,-40.55 r90 top
T102 "Test" PT_STM 155.27,-39.8 r90 top